# Altium PCB CFD_V1.03.PcbDoc (part 8 of 10) (continued)
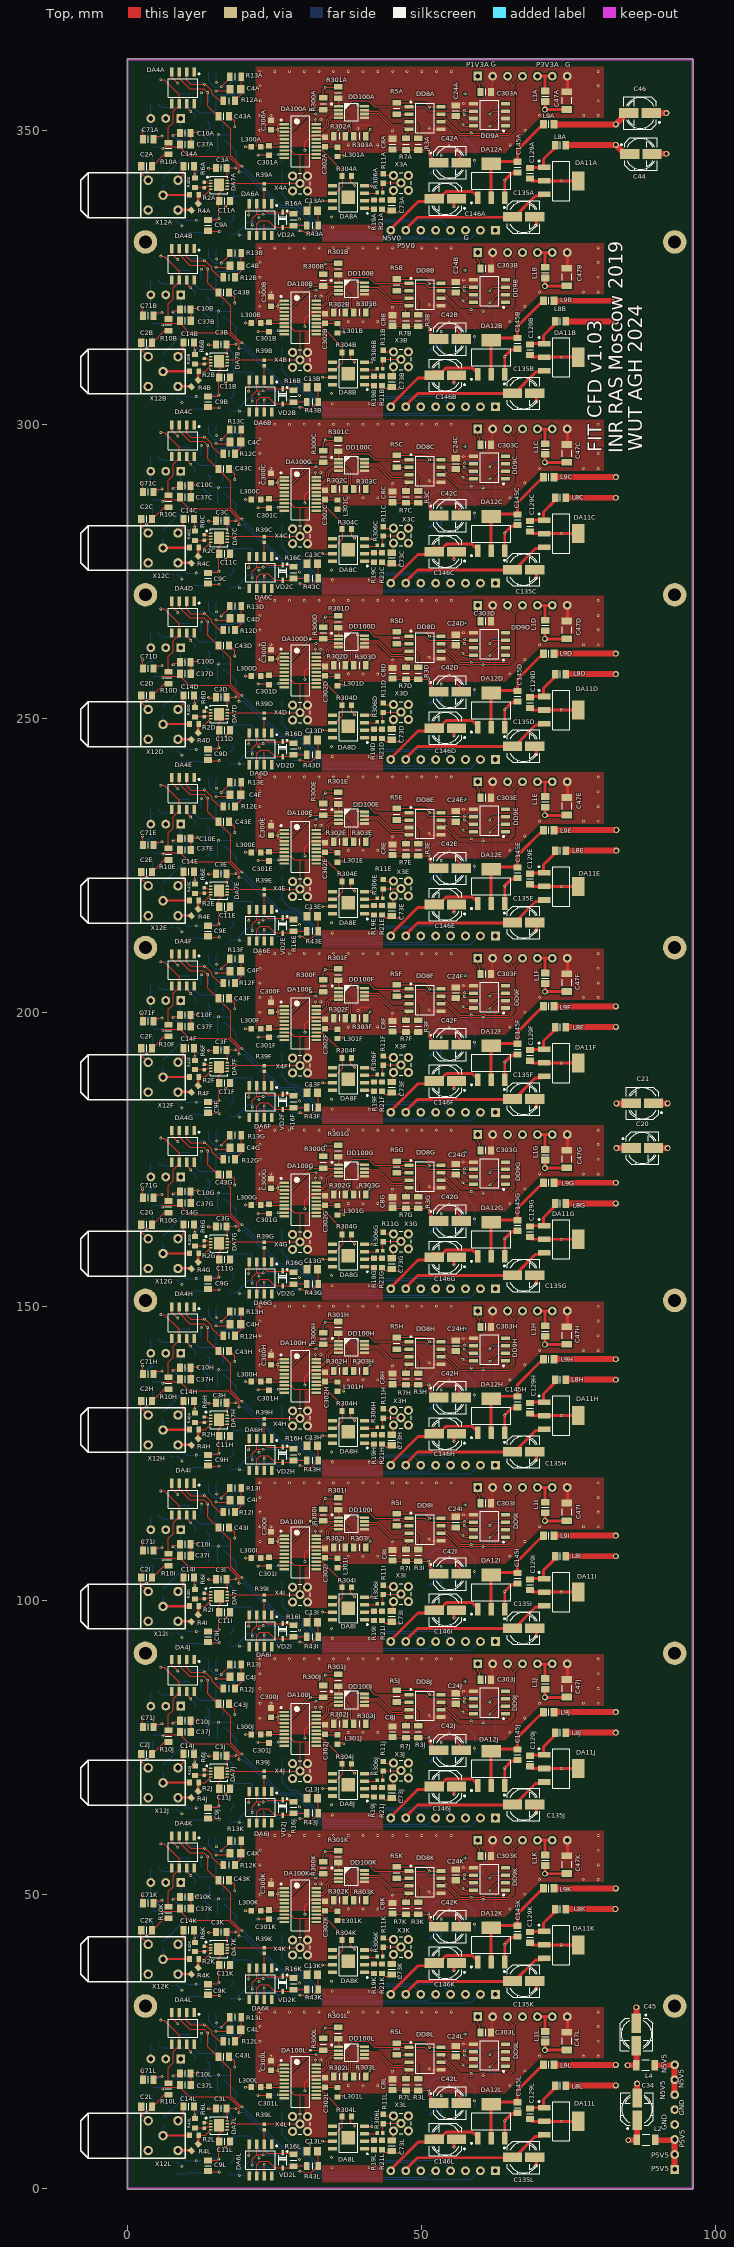
[diagram p0: Top view]
## Nets (pads, with @x,y where several pads share a name; then routed paths per layer and width w, separated by ;. In a path a pad name is that pad's centre, name@x,y a point inside that pad or via, vN(x,y) a via of type N, cw(c..) or ccw(c..) an arc to the next point about the centre after c; other vN are vias at no path point) (continued)
  Top w0.2: C300A.2@24.33,350.1 v1(25.496,350.1) ; DA100A.1@26.63,351.005 DA100A.1@26.83,351.005 ; DA100A.20@31.83,351.005 31.838,351.005 31.93,351.097 v1(31.93,351.8) ; R5A.2@45.7,354.7 50.542,354.7 v1(51.285,353.956) DD8A.8@53.015,353.956 ; C24A.2@55.8,352.3 55.8,352.2 v1(57,351) 57.3,350.7 58.958,350.7 DD9A.8@58.985,350.727
  Top w0.254: v1(25.496,350.1) 25.529,350.134 25.529,350.856 25.678,351.005 DA100A.1@26.63,351.005 ; v1@25.53,350.1 25.53,349.252 25.694,349.088 26.618,349.088 DA100A.4@26.63,349.1 ; v1(39.036,354.239) 39.097,354.239 39.18,354.156 40.16,354.156 DD100A.8@40.258,354.058
  Top w0.5: L1A.1@70.93,354.7 70.96,354.67 70.93,354.64 v2(70.93,353.5) C47A.2@74.73,353.5
  Bot w0.2: C402A.2@30.73,351.8 v1(31.93,351.8) ; C400A.2@38.63,353.3 38.63,354.046 38.769,354.185 38.983,354.185 v1(39.036,354.239) ; C26A.2@49.715,353.286 50.615,353.286 v1(51.285,353.956)
  Bot w0.25: R29A.1@51.3,342.4 52.7,343.8 DA13A.4@53.304,343.8 ; C29A.2@53.304,341.6 DA13A.4@53.304,343.8 ; v1(53.304,345.8) DA13A.4@53.304,343.8 ; C22A.1@58.985,343.95 v1(58.985,344.9)
P3V3B: C22B.1 C24B.2 C26B.2 C29B.2 C47B.2 C300B.2 C400B.2 C402B.2 DA13B.4 DA100B.1 DA100B.4 DA100B.20 DD8B.8 DD9B.8 DD100B.8 L1B.1 R5B.2 R29B.1 | length 35.7
  Top w0.2: C300B.2@24.33,320.1 v1(25.496,320.1) ; DA100B.1@26.63,321.004 DA100B.1@26.83,321.005 ; DA100B.20@31.83,321.005 31.838,321.005 31.93,321.097 v1(31.93,321.8) ; R5B.2@45.7,324.7 50.542,324.7 v1(51.285,323.956) DD8B.8@53.015,323.956 ; C24B.2@55.8,322.3 55.8,322.2 v1(57,321) 57.3,320.7 58.958,320.7 DD9B.8@58.985,320.727
  Top w0.254: DA100B.4@26.63,319.099 26.618,319.088 26.042,319.088 25.824,319.306 25.735,319.306 25.539,319.502 25.539,320.119 25.53,320.128 25.53,320.196 25.596,320.261 25.596,320.659 25.735,320.798 25.824,320.798 25.957,320.931 26.331,320.931 26.405,321.005 DA100B.1@26.63,321.004 ; v1(39.036,324.239) 39.097,324.239 39.18,324.156 40.16,324.156 DD100B.8@40.258,324.058
  Top w0.5: L1B.1@70.93,324.7 70.96,324.67 70.93,324.64 v2(70.93,323.5) C47B.2@74.73,323.5
  Bot w0.2: C402B.2@30.73,321.8 v1(31.93,321.8) ; C400B.2@38.63,323.3 38.63,324.046 38.769,324.185 38.983,324.185 v1(39.036,324.239) ; C26B.2@49.715,323.286 50.615,323.286 v1(51.285,323.956)
  Bot w0.25: R29B.1@51.3,312.4 52.7,313.8 DA13B.4@53.304,313.8 ; C29B.2@53.304,311.6 DA13B.4@53.304,313.8 ; v1(53.304,315.8) DA13B.4@53.304,313.8 ; C22B.1@58.985,313.95 v1(58.985,314.9)
P3V3C: C22C.1 C24C.2 C26C.2 C29C.2 C47C.2 C300C.2 C400C.2 C402C.2 DA13C.4 DA100C.1 DA100C.4 DA100C.20 DD8C.8 DD9C.8 DD100C.8 L1C.1 R5C.2 R29C.1 | length 35.5
  Top w0.2: C300C.2@24.35,290.08 v1(25.466,290.08) ; DA100C.20@31.83,291.005 31.838,291.005 31.93,291.097 v1(31.93,291.8) ; R5C.2@45.7,294.7 50.542,294.7 v1(51.285,293.956) DD8C.8@53.015,293.956 ; C24C.2@55.8,292.3 55.8,292.2 v1(57,291) 57.3,290.7 58.958,290.7 DD9C.8@58.985,290.727
  Top w0.254: DA100C.4@26.63,289.1 26.557,289.173 25.957,289.173 25.824,289.306 25.735,289.306 25.51,289.531 25.51,290.036 v1(25.466,290.08) 25.51,290.123 25.51,290.573 25.735,290.798 25.824,290.798 25.957,290.932 26.557,290.932 DA100C.1@26.63,291.005 ; v1(39.036,294.239) 39.097,294.239 39.18,294.156 40.16,294.156 DD100C.8@40.258,294.058
  Top w0.5: L1C.1@70.93,294.7 70.96,294.67 70.93,294.64 v2(70.93,293.5) C47C.2@74.73,293.5
  Bot w0.2: C402C.2@30.73,291.8 v1(31.93,291.8) ; C400C.2@38.63,293.3 38.63,294.046 38.769,294.185 38.983,294.185 v1(39.036,294.239) ; C26C.2@49.715,293.286 50.615,293.286 v1(51.285,293.956)
  Bot w0.25: R29C.1@51.3,282.4 52.7,283.8 DA13C.4@53.304,283.8 ; C29C.2@53.304,281.6 DA13C.4@53.304,283.8 ; v1(53.304,285.8) DA13C.4@53.304,283.8 ; C22C.1@58.985,283.95 v1(58.985,284.9)
P3V3D: C22D.1 C24D.2 C26D.2 C29D.2 C47D.2 C300D.2 C400D.2 C402D.2 DA13D.4 DA100D.1 DA100D.4 DA100D.20 DD8D.8 DD9D.8 DD100D.8 L1D.1 R5D.2 R29D.1 | length 35.5
  Top w0.2: C300D.2@24.33,260.1 24.336,260.106 v1(25.445,260.106) ; DA100D.20@31.82,260.941 31.827,260.941 31.92,261.033 v1@31.92,261.736 ; R5D.2@45.7,264.7 50.542,264.7 v1(51.285,263.956) DD8D.8@53.015,263.956 ; C24D.2@55.8,262.3 55.8,262.2 v1(57,261) 57.3,260.7 58.958,260.7 DD9D.8@58.985,260.727
  Top w0.254: DA100D.4@26.63,259.099 26.557,259.172 25.957,259.172 25.824,259.306 25.735,259.306 25.488,259.553 25.488,260.063 v1(25.445,260.106) 25.488,260.15 25.488,260.551 25.735,260.798 25.824,260.798 25.957,260.931 26.557,260.931 DA100D.1@26.63,261.004 ; v1(39.026,264.174) 39.087,264.174 39.17,264.091 40.15,264.091 DD100D.8@40.248,263.993
  Top w0.5: L1D.1@70.93,264.7 70.96,264.67 70.93,264.64 v2(70.93,263.5) C47D.2@74.73,263.5
  Bot w0.2: C402D.2@30.72,261.736 v1@31.92,261.736 ; C400D.2@38.62,263.236 38.62,263.982 38.759,264.121 38.973,264.121 v1(39.026,264.174) ; C26D.2@49.715,263.286 50.615,263.286 v1(51.285,263.956)
  Bot w0.25: R29D.1@51.3,252.4 52.7,253.8 DA13D.4@53.304,253.8 ; C29D.2@53.304,251.6 DA13D.4@53.304,253.8 ; v1(53.304,255.8) DA13D.4@53.304,253.8 ; C22D.1@58.985,253.95 v1(58.985,254.9)
  other v1: 31.93,261.8
P3V3E: C22E.1 C24E.2 C26E.2 C29E.2 C47E.2 C300E.2 C400E.2 C402E.2 DA13E.4 DA100E.1 DA100E.4 DA100E.20 DD8E.8 DD9E.8 DD100E.8 L1E.1 R5E.2 R29E.1 | length 35.7
  Top w0.2: C300E.2@24.356,230.074 v1(25.488,230.074) ; DA100E.1@26.63,231.005 DA100E.1@26.83,231.005 ; DA100E.20@31.83,231.005 31.838,231.005 31.93,231.097 v1(31.93,231.8) ; R5E.2@45.7,234.7 50.542,234.7 v1(51.285,233.956) DD8E.8@53.015,233.956 ; C24E.2@55.8,232.3 55.8,232.2 v1(57,231) 57.3,230.7 58.958,230.7 DD9E.8@58.985,230.727
  Top w0.254: DA100E.4@26.63,229.1 26.618,229.088 26.042,229.088 25.824,229.306 25.735,229.306 25.531,229.51 25.531,230.031 v1(25.488,230.074) 25.531,230.117 25.531,230.594 25.735,230.798 25.824,230.798 25.957,230.932 26.332,230.932 26.405,231.005 DA100E.1@26.63,231.005 ; v1(39.036,234.239) 39.097,234.239 39.18,234.156 40.16,234.156 DD100E.8@40.258,234.058
  Top w0.5: L1E.1@70.93,234.7 70.96,234.67 70.93,234.64 v2(70.93,233.5) C47E.2@74.73,233.5
  Bot w0.2: C402E.2@30.73,231.8 v1(31.93,231.8) ; C400E.2@38.63,233.3 38.63,234.046 38.769,234.185 38.983,234.185 v1(39.036,234.239) ; C26E.2@49.715,233.286 50.615,233.286 v1(51.285,233.956)
  Bot w0.25: R29E.1@51.3,222.4 52.7,223.8 DA13E.4@53.304,223.8 ; C29E.2@53.304,221.6 DA13E.4@53.304,223.8 ; v1(53.304,225.8) DA13E.4@53.304,223.8 ; C22E.1@58.985,223.95 v1(58.985,224.9)
P3V3F: C22F.1 C24F.2 C26F.2 C29F.2 C47F.2 C300F.2 C400F.2 C402F.2 DA13F.4 DA100F.1 DA100F.4 DA100F.20 DD8F.8 DD9F.8 DD100F.8 L1F.1 R5F.2 R29F.1 | length 36
  Top w0.2: C300F.2@24.33,200.1 v1(25.496,200.1) ; DA100F.1@26.63,201.005 DA100F.1@26.83,201.005 ; DA100F.20@31.83,201.005 31.838,201.005 31.93,201.097 v1(31.93,201.8) ; R5F.2@45.7,204.7 50.542,204.7 v1(51.285,203.956) DD8F.8@53.015,203.956 ; C24F.2@55.8,202.3 55.8,202.2 v1(57,201) 57.3,200.7 58.958,200.7 DD9F.8@58.985,200.727
  Top w0.254: v1(25.496,200.1) 25.529,200.134 25.529,200.856 25.678,201.005 DA100F.1@26.63,201.005 ; v1@25.53,200.1 25.53,199.252 25.694,199.088 26.618,199.088 DA100F.4@26.63,199.1 ; v1(39.036,204.239) 39.097,204.239 39.18,204.156 40.16,204.156 DD100F.8@40.258,204.058
  Top w0.5: L1F.1@70.93,204.7 70.96,204.67 70.93,204.64 v2(70.93,203.5) C47F.2@74.73,203.5
  Bot w0.2: C402F.2@30.73,201.8 v1(31.93,201.8) ; C400F.2@38.63,203.3 38.63,204.046 38.769,204.185 38.983,204.185 v1(39.036,204.239) ; C26F.2@49.715,203.286 50.615,203.286 v1(51.285,203.956)
  Bot w0.25: R29F.1@51.3,192.4 52.7,193.8 DA13F.4@53.304,193.8 ; C29F.2@53.304,191.6 DA13F.4@53.304,193.8 ; v1(53.304,195.8) DA13F.4@53.304,193.8 ; C22F.1@58.985,193.95 v1(58.985,194.9)
P3V3G: C22G.1 C24G.2 C26G.2 C29G.2 C47G.2 C300G.2 C400G.2 C402G.2 DA13G.4 DA100G.1 DA100G.4 DA100G.20 DD8G.8 DD9G.8 DD100G.8 L1G.1 R5G.2 R29G.1 | length 35.5
  Top w0.2: C300G.2@24.33,170.1 24.338,170.108 v1(25.494,170.108) ; DA100G.20@31.83,171.005 31.838,171.005 31.93,171.097 v1(31.93,171.8) ; R5G.2@45.7,174.7 50.542,174.7 v1(51.285,173.956) DD8G.8@53.015,173.956 ; C24G.2@55.8,172.3 55.8,172.2 v1(57,171) 57.3,170.7 58.958,170.7 DD9G.8@58.985,170.727
  Top w0.254: DA100G.4@26.63,169.099 26.557,169.172 25.957,169.172 25.824,169.306 25.735,169.306 25.537,169.504 25.537,170.069 25.496,170.11 25.537,170.151 25.537,170.6 25.735,170.798 25.824,170.798 26.03,171.005 DA100G.1@26.63,171.004 ; v1(39.036,174.239) 39.097,174.239 39.18,174.156 40.16,174.156 DD100G.8@40.258,174.058
  Top w0.5: L1G.1@70.93,174.7 70.96,174.67 70.93,174.64 v2(70.93,173.5) C47G.2@74.73,173.5
  Bot w0.2: C402G.2@30.73,171.8 v1(31.93,171.8) ; C400G.2@38.63,173.3 38.63,174.046 38.769,174.185 38.983,174.185 v1(39.036,174.239) ; C26G.2@49.715,173.286 50.615,173.286 v1(51.285,173.956)
  Bot w0.25: R29G.1@51.3,162.4 52.7,163.8 DA13G.4@53.304,163.8 ; C29G.2@53.304,161.6 DA13G.4@53.304,163.8 ; v1(53.304,165.8) DA13G.4@53.304,163.8 ; C22G.1@58.985,163.95 v1(58.985,164.9)
P3V3H: C22H.1 C24H.2 C26H.2 C29H.2 C47H.2 C300H.2 C400H.2 C402H.2 DA13H.4 DA100H.1 DA100H.4 DA100H.20 DD8H.8 DD9H.8 DD100H.8 L1H.1 R5H.2 R29H.1 | length 36
  Top w0.2: C300H.2@24.33,140.1 v1(25.496,140.1) ; DA100H.1@26.63,141.005 DA100H.1@26.83,141.005 ; DA100H.20@31.83,141.005 31.838,141.005 31.93,141.097 v1(31.93,141.8) ; R5H.2@45.7,144.7 50.542,144.7 v1(51.285,143.956) DD8H.8@53.015,143.956 ; C24H.2@55.8,142.3 55.8,142.2 v1(57,141) 57.3,140.7 58.958,140.7 DD9H.8@58.985,140.727
  Top w0.254: v1(25.496,140.1) 25.529,140.134 25.529,140.856 25.678,141.005 DA100H.1@26.63,141.005 ; v1@25.53,140.1 25.53,139.252 25.694,139.088 26.618,139.088 DA100H.4@26.63,139.1 ; v1(39.036,144.239) 39.097,144.239 39.18,144.156 40.16,144.156 DD100H.8@40.258,144.058
  Top w0.5: L1H.1@70.93,144.7 70.96,144.67 70.93,144.64 v2(70.93,143.5) C47H.2@74.73,143.5
  Bot w0.2: C402H.2@30.73,141.8 v1(31.93,141.8) ; C400H.2@38.63,143.3 38.63,144.046 38.769,144.185 38.983,144.185 v1(39.036,144.239) ; C26H.2@49.715,143.286 50.615,143.286 v1(51.285,143.956)
  Bot w0.25: R29H.1@51.3,132.4 52.7,133.8 DA13H.4@53.304,133.8 ; C29H.2@53.304,131.6 DA13H.4@53.304,133.8 ; v1(53.304,135.8) DA13H.4@53.304,133.8 ; C22H.1@58.985,133.95 v1(58.985,134.9)
P3V3I: C22I.1 C24I.2 C26I.2 C29I.2 C47I.2 C300I.2 C400I.2 C402I.2 DA13I.4 DA100I.1 DA100I.4 DA100I.20 DD8I.8 DD9I.8 DD100I.8 L1I.1 R5I.2 R29I.1 | length 35.5
  Top w0.2: C300I.2@24.338,110.092 v1(25.493,110.092) ; DA100I.20@31.83,111.005 31.838,111.005 31.93,111.097 v1(31.93,111.8) ; R5I.2@45.7,114.7 50.542,114.7 v1(51.285,113.956) DD8I.8@53.015,113.956 ; C24I.2@55.8,112.3 55.8,112.2 v1(57,111) 57.3,110.7 58.958,110.7 DD9I.8@58.985,110.727
  Top w0.254: DA100I.4@26.63,109.099 26.557,109.172 25.957,109.172 25.824,109.306 25.735,109.306 25.536,109.505 25.536,110.049 v1(25.493,110.092) 25.536,110.135 25.536,110.599 25.735,110.798 25.824,110.798 25.957,110.932 26.557,110.932 DA100I.1@26.63,111.004 ; v1(39.036,114.239) 39.097,114.239 39.18,114.156 40.16,114.156 DD100I.8@40.258,114.058
  Top w0.5: L1I.1@70.93,114.7 70.96,114.67 70.93,114.64 v2(70.93,113.5) C47I.2@74.73,113.5
  Bot w0.2: C402I.2@30.73,111.8 v1(31.93,111.8) ; C400I.2@38.63,113.3 38.63,114.046 38.769,114.185 38.983,114.185 v1(39.036,114.239) ; C26I.2@49.715,113.286 50.615,113.286 v1(51.285,113.956)
  Bot w0.25: R29I.1@51.3,102.4 52.7,103.8 DA13I.4@53.304,103.8 ; C29I.2@53.304,101.6 DA13I.4@53.304,103.8 ; v1(53.304,105.8) DA13I.4@53.304,103.8 ; C22I.1@58.985,103.95 v1(58.985,104.9)
P3V3J: C22J.1 C24J.2 C26J.2 C29J.2 C47J.2 C300J.2 C400J.2 C402J.2 DA13J.4 DA100J.1 DA100J.4 DA100J.20 DD8J.8 DD9J.8 DD100J.8 L1J.1 R5J.2 R29J.1 | length 36
  Top w0.2: C300J.2@24.33,80.1 v1(25.496,80.1) ; DA100J.1@26.63,81.004 DA100J.1@26.83,81.005 ; DA100J.20@31.83,81.005 31.838,81.005 31.93,81.097 v1(31.93,81.8) ; R5J.2@45.7,84.7 50.542,84.7 v1(51.285,83.956) DD8J.8@53.015,83.956 ; C24J.2@55.8,82.3 55.8,82.2 v1(57,81) 57.3,80.7 58.958,80.7 DD9J.8@58.985,80.727
  Top w0.254: v1(25.496,80.1) 25.529,80.134 25.529,80.856 25.678,81.005 DA100J.1@26.63,81.004 ; v1@25.53,80.1 25.53,79.252 25.694,79.088 26.618,79.088 DA100J.4@26.63,79.099 ; v1(39.036,84.239) 39.097,84.239 39.18,84.156 40.16,84.156 DD100J.8@40.258,84.058
  Top w0.5: L1J.1@70.93,84.7 70.96,84.67 70.93,84.64 v2(70.93,83.5) C47J.2@74.73,83.5
  Bot w0.2: C402J.2@30.73,81.8 v1(31.93,81.8) ; C400J.2@38.63,83.3 38.63,84.046 38.769,84.185 38.983,84.185 v1(39.036,84.239) ; C26J.2@49.715,83.286 50.615,83.286 v1(51.285,83.956)
  Bot w0.25: R29J.1@51.3,72.4 52.7,73.8 DA13J.4@53.304,73.8 ; C29J.2@53.304,71.6 DA13J.4@53.304,73.8 ; v1(53.304,75.8) DA13J.4@53.304,73.8 ; C22J.1@58.985,73.95 v1(58.985,74.9)
P3V3K: C22K.1 C24K.2 C26K.2 C29K.2 C47K.2 C300K.2 C400K.2 C402K.2 DA13K.4 DA100K.1 DA100K.4 DA100K.20 DD8K.8 DD9K.8 DD100K.8 L1K.1 R5K.2 R29K.1 | length 36
  Top w0.2: C300K.2@24.33,50.1 v1(25.496,50.1) ; DA100K.1@26.63,51.005 DA100K.1@26.83,51.005 ; DA100K.20@31.83,51.005 31.838,51.005 31.93,51.097 v1(31.93,51.8) ; R5K.2@45.7,54.7 50.542,54.7 v1(51.285,53.956) DD8K.8@53.015,53.956 ; C24K.2@55.8,52.3 55.8,52.2 v1(57,51) 57.3,50.7 58.958,50.7 DD9K.8@58.985,50.727
  Top w0.254: v1(25.496,50.1) 25.529,50.134 25.529,50.856 25.678,51.005 DA100K.1@26.63,51.005 ; v1@25.53,50.1 25.53,49.252 25.694,49.088 26.618,49.088 DA100K.4@26.63,49.1 ; v1(39.036,54.239) 39.097,54.239 39.18,54.156 40.16,54.156 DD100K.8@40.258,54.058
  Top w0.5: L1K.1@70.93,54.7 70.96,54.67 70.93,54.64 v2(70.93,53.5) C47K.2@74.73,53.5
  Bot w0.2: C402K.2@30.73,51.8 v1(31.93,51.8) ; C400K.2@38.63,53.3 38.63,54.046 38.769,54.185 38.983,54.185 v1(39.036,54.239) ; C26K.2@49.715,53.286 50.615,53.286 v1(51.285,53.956)
  Bot w0.25: R29K.1@51.3,42.4 52.7,43.8 DA13K.4@53.304,43.8 ; C29K.2@53.304,41.6 DA13K.4@53.304,43.8 ; v1(53.304,45.8) DA13K.4@53.304,43.8 ; C22K.1@58.985,43.95 v1(58.985,44.9)
P3V3L: C22L.1 C24L.2 C26L.2 C29L.2 C47L.2 C300L.2 C400L.2 C402L.2 DA13L.4 DA100L.1 DA100L.4 DA100L.20 DD8L.8 DD9L.8 DD100L.8 L1L.1 R5L.2 R29L.1 | length 36.3
  Top w0.2: C300L.2@24.339,20.091 24.378,20.052 v1(25.509,20.052) ; DA100L.1@26.405,21.005 26.83,21.005 DA100L.1@26.63,21.004 ; DA100L.20@31.83,21.005 31.838,21.005 31.93,21.097 v1(31.93,21.8) ; R5L.2@45.7,24.7 50.542,24.7 v1(51.285,23.956) DD8L.8@53.015,23.956 ; C24L.2@55.8,22.3 55.8,22.2 v1(57,21) 57.3,20.7 58.958,20.7 DD9L.8@58.985,20.727
  Top w0.254: DA100L.4@26.63,19.099 26.618,19.088 26.042,19.088 25.824,19.306 25.735,19.306 25.552,19.489 25.552,20.009 v1(25.509,20.052) 25.529,20.072 25.529,20.856 25.678,21.005 DA100L.1@26.63,21.004 ; v1(39.036,24.239) 39.097,24.239 39.18,24.156 40.16,24.156 DD100L.8@40.258,24.058
  Top w0.5: L1L.1@70.93,24.7 70.96,24.67 70.93,24.64 v2(70.93,23.5) C47L.2@74.73,23.5
  Bot w0.2: C402L.2@30.73,21.8 v1(31.93,21.8) ; C400L.2@38.63,23.3 38.63,24.046 38.769,24.185 38.983,24.185 v1(39.036,24.239) ; C26L.2@49.715,23.286 50.615,23.286 v1(51.285,23.956)
  Bot w0.25: R29L.1@51.3,12.4 52.7,13.8 DA13L.4@53.304,13.8 ; C29L.2@53.304,11.6 DA13L.4@53.304,13.8 ; v1(53.304,15.8) DA13L.4@53.304,13.8 ; C22L.1@58.985,13.95 v1(58.985,14.9)
P3V3rA: L1A.2 X13A.5 X13A.6 | length 4.4
  Top w0.5: X13A.5@69.66,359.2 70.93,359.2 ; 70.93,357.3 70.93,359.2 ; X13A.6@72.2,359.2 70.93,359.2
P3V3rB: L1B.2 X13B.5 X13B.6 | length 4.4
  Top w0.5: X13B.5@69.66,329.2 70.93,329.2 ; 70.93,327.3 70.93,329.2 ; X13B.6@72.2,329.2 70.93,329.2
P3V3rC: L1C.2 X13C.5 X13C.6 | length 4.4
  Top w0.5: X13C.5@69.66,299.2 70.93,299.2 ; 70.93,297.3 70.93,299.2 ; X13C.6@72.2,299.2 70.93,299.2
P3V3rD: L1D.2 X13D.5 X13D.6 | length 4.4
  Top w0.5: X13D.5@69.66,269.2 70.93,269.2 ; 70.93,267.3 70.93,269.2 ; X13D.6@72.2,269.2 70.93,269.2
P3V3rE: L1E.2 X13E.5 X13E.6 | length 4.4
  Top w0.5: X13E.5@69.66,239.2 70.93,239.2 ; 70.93,237.3 70.93,239.2 ; X13E.6@72.2,239.2 70.93,239.2
P3V3rF: L1F.2 X13F.5 X13F.6 | length 4.4
  Top w0.5: X13F.5@69.66,209.2 70.93,209.2 ; 70.93,207.3 70.93,209.2 ; X13F.6@72.2,209.2 70.93,209.2
P3V3rG: L1G.2 X13G.5 X13G.6 | length 4.4
  Top w0.5: X13G.5@69.66,179.2 70.93,179.2 ; 70.93,177.3 70.93,179.2 ; X13G.6@72.2,179.2 70.93,179.2
P3V3rH: L1H.2 X13H.5 X13H.6 | length 4.4
  Top w0.5: X13H.5@69.66,149.2 70.93,149.2 ; 70.93,147.3 70.93,149.2 ; X13H.6@72.2,149.2 70.93,149.2
P3V3rI: L1I.2 X13I.5 X13I.6 | length 4.4
  Top w0.5: X13I.5@69.66,119.2 70.93,119.2 ; 70.93,117.3 70.93,119.2 ; X13I.6@72.2,119.2 70.93,119.2
P3V3rJ: L1J.2 X13J.5 X13J.6 | length 4.4
  Top w0.5: X13J.5@69.66,89.2 70.93,89.2 ; 70.93,87.3 70.93,89.2 ; X13J.6@72.2,89.2 70.93,89.2
P3V3rK: L1K.2 X13K.5 X13K.6 | length 4.4
  Top w0.5: X13K.5@69.66,59.2 70.93,59.2 ; 70.93,57.3 70.93,59.2 ; X13K.6@72.2,59.2 70.93,59.2
P3V3rL: L1L.2 X13L.5 X13L.6 | length 4.4
  Top w0.5: X13L.5@69.66,29.2 70.93,29.2 ; 70.93,27.3 70.93,29.2 ; X13L.6@72.2,29.2 70.93,29.2
P5V0A: C30A.2 C71A.2 C135A.1 DA2A.3 DA4A.7 DA5A.7 DA6A.7 DA8A.7 DA11A.3 DA20A.7 L301A.2 pad.1@15.07,359.7 R25A.1 X5A.7 | length 43.1
  Top w0.2: C71A.2@4.5,348.44 4.5,348.577 4.87,348.946 5.746,348.946 v1(5.8,349) ; DA4A.7@10,354.7 10,353.925 10.7,353.225 v1(10.7,353.2) ; DA6A.7@23.2,332.3 v4(23.2,334.1) ; v1(33.1,338) DA8A.7@35,338 ; L301A.2@35.63,345.8 36.53,345.8 v1(36.73,345.6)
  Top w0.5: X5A.7@47.26,333.2 49.26,335.2 65.7,335.2 69.35,338.85 70.45,338.85 DA11A.3@70.7,339.1
  Bot w0.2: DA2A.3@4.2,348.44 4.95,348.44 5.456,348.946 5.746,348.946 v1(5.8,349) ; v1(10.7,353.2) 11.43,352.47 R25A.1@11.43,351.7 ; v1(15.07,358.1) pad.1@15.07,359.7 ; v1(22.33,335.17) 22.38,335.22 22.38,337.25 DA20A.7@22.43,337.3 ; v1(33.1,338) C30A.2@34.6,338
P5V0B: C30B.2 C71B.2 C135B.1 DA2B.3 DA4B.7 DA5B.7 DA6B.7 DA8B.7 DA11B.3 DA20B.7 L301B.2 R25B.1 X5B.7 | length 43.1
  Top w0.2: C71B.2@4.5,318.44 4.5,318.577 4.87,318.946 5.746,318.946 v1(5.8,319) ; DA4B.7@10,324.7 10,323.925 10.7,323.225 v1(10.7,323.2) ; DA6B.7@23.2,302.3 v1(23.2,304.1) ; v1(33.1,308) DA8B.7@35,308 ; L301B.2@35.63,315.8 36.53,315.8 v1(36.73,315.6)
  Top w0.5: X5B.7@47.26,303.2 49.26,305.2 65.7,305.2 69.35,308.85 70.45,308.85 DA11B.3@70.7,309.1
  Bot w0.2: DA2B.3@4.2,318.44 4.95,318.44 5.456,318.946 5.746,318.946 v1(5.8,319) ; v1(10.7,323.2) 11.43,322.47 R25B.1@11.43,321.7 ; v1(15.07,328.1) DA5B.7@15.07,329.7 ; v1(22.33,305.17) 22.38,305.22 22.38,307.25 DA20B.7@22.43,307.3 ; v1(33.1,308) C30B.2@34.6,308
P5V0C: C30C.2 C71C.2 C135C.1 DA2C.3 DA4C.7 DA5C.7 DA6C.7 DA8C.7 DA11C.3 DA20C.7 L301C.2 R25C.1 X5C.7 | length 43.1
  Top w0.2: C71C.2@4.5,288.44 4.5,288.577 4.869,288.946 5.746,288.946 v1(5.8,289) ; DA4C.7@10,294.7 10,293.925 10.7,293.225 v1(10.7,293.2) ; DA6C.7@23.2,272.3 v1(23.2,274.1) ; v1(33.1,278) DA8C.7@35,278 ; L301C.2@35.63,285.8 36.53,285.8 v1(36.73,285.6)
  Top w0.5: X5C.7@47.26,273.2 49.26,275.2 65.7,275.2 69.35,278.85 70.45,278.85 DA11C.3@70.7,279.1
  Bot w0.2: DA2C.3@4.2,288.44 4.95,288.44 5.456,288.946 5.746,288.946 v1(5.8,289) ; v1(10.7,293.2) 11.43,292.47 R25C.1@11.43,291.7 ; v1(15.07,298.1) DA5C.7@15.07,299.7 ; v1(22.33,275.17) 22.38,275.22 22.38,277.25 DA20C.7@22.43,277.3 ; v1(33.1,278) C30C.2@34.6,278
P5V0D: C30D.2 C71D.2 C135D.1 DA2D.3 DA4D.7 DA5D.7 DA6D.7 DA8D.7 DA11D.3 DA20D.7 L301D.2 R25D.1 X5D.7 | length 43.1
  Top w0.2: C71D.2@4.5,258.44 4.5,258.577 4.869,258.946 5.746,258.946 v1(5.8,259) ; DA4D.7@10,264.7 10,263.925 10.7,263.225 v1(10.7,263.2) ; DA6D.7@23.2,242.3 v4(23.2,244.1) ; v1(33.1,248) DA8D.7@35,248 ; L301D.2@35.63,255.8 36.53,255.8 v1(36.73,255.6)
  Top w0.5: X5D.7@47.26,243.2 49.26,245.2 65.7,245.2 69.35,248.85 70.45,248.85 DA11D.3@70.7,249.1
  Bot w0.2: DA2D.3@4.2,258.44 4.95,258.44 5.456,258.946 5.746,258.946 v1(5.8,259) ; v1(10.7,263.2) 11.43,262.47 R25D.1@11.43,261.7 ; v1(15.07,268.1) DA5D.7@15.07,269.7 ; v1(22.33,245.17) 22.38,245.22 22.38,247.25 DA20D.7@22.43,247.3 ; v1(33.1,248) C30D.2@34.6,248
P5V0E: C30E.2 C71E.2 C135E.1 DA2E.3 DA4E.7 DA5E.7 DA6E.7 DA8E.7 DA11E.3 DA20E.7 L301E.2 R25E.1 X5E.7 | length 43.1
  Top w0.2: C71E.2@4.5,228.44 4.5,228.577 4.869,228.946 5.746,228.946 v1(5.8,229) ; DA4E.7@10,234.7 10,233.925 10.7,233.225 v1(10.7,233.2) ; DA6E.7@23.2,212.3 v1(23.2,214.1) ; v1(33.1,218) DA8E.7@35,218 ; L301E.2@35.63,225.8 36.53,225.8 v1(36.73,225.6)
  Top w0.5: X5E.7@47.26,213.2 49.26,215.2 65.7,215.2 69.35,218.85 70.45,218.85 DA11E.3@70.7,219.1
  Bot w0.2: DA2E.3@4.2,228.44 4.95,228.44 5.456,228.946 5.746,228.946 v1(5.8,229) ; v1(10.7,233.2) 11.43,232.47 R25E.1@11.43,231.7 ; v1(15.07,238.1) DA5E.7@15.07,239.7 ; v1(22.33,215.17) 22.38,215.22 22.38,217.25 DA20E.7@22.43,217.3 ; v1(33.1,218) C30E.2@34.6,218
P5V0F: C30F.2 C71F.2 C135F.1 DA2F.3 DA4F.7 DA5F.7 DA6F.7 DA8F.7 DA11F.3 DA20F.7 L301F.2 R25F.1 X5F.7 | length 43.1
  Top w0.2: C71F.2@4.5,198.44 4.5,198.577 4.869,198.946 5.746,198.946 v1(5.8,199) ; DA4F.7@10,204.7 10,203.925 10.7,203.225 v1(10.7,203.2) ; DA6F.7@23.2,182.3 v1(23.2,184.1) ; v1(33.1,188) DA8F.7@35,188 ; L301F.2@35.63,195.8 36.53,195.8 v1(36.73,195.6)
  Top w0.5: X5F.7@47.26,183.2 49.26,185.2 65.7,185.2 69.35,188.85 70.45,188.85 DA11F.3@70.7,189.1
  Bot w0.2: DA2F.3@4.2,198.44 4.95,198.44 5.456,198.946 5.746,198.946 v1(5.8,199) ; v1(10.7,203.2) 11.43,202.47 R25F.1@11.43,201.7 ; v1(15.07,208.1) DA5F.7@15.07,209.7 ; v1(22.33,185.17) 22.38,185.22 22.38,187.25 DA20F.7@22.43,187.3 ; v1(33.1,188) C30F.2@34.6,188
P5V0G: C30G.2 C71G.2 C135G.1 DA2G.3 DA4G.7 DA5G.7 DA6G.7 DA8G.7 DA11G.3 DA20G.7 L301G.2 R25G.1 X5G.7 | length 43.1
  Top w0.2: C71G.2@4.5,168.44 4.5,168.577 4.869,168.946 5.746,168.946 v1(5.8,169) ; DA4G.7@10,174.7 10,173.925 10.7,173.225 v1(10.7,173.2) ; DA6G.7@23.2,152.3 v1(23.2,154.1) ; v1(33.1,158) DA8G.7@35,158 ; L301G.2@35.63,165.8 36.53,165.8 v1(36.73,165.6)
  Top w0.5: X5G.7@47.26,153.2 49.26,155.2 65.7,155.2 69.35,158.85 70.45,158.85 DA11G.3@70.7,159.1
  Bot w0.2: DA2G.3@4.2,168.44 4.95,168.44 5.456,168.946 5.746,168.946 v1(5.8,169) ; v1(10.7,173.2) 11.43,172.47 R25G.1@11.43,171.7 ; v1(15.07,178.1) DA5G.7@15.07,179.7 ; v1(22.33,155.17) 22.38,155.22 22.38,157.25 DA20G.7@22.43,157.3 ; v1(33.1,158) C30G.2@34.6,158
P5V0H: C30H.2 C71H.2 C135H.1 DA2H.3 DA4H.7 DA5H.7 DA6H.7 DA8H.7 DA11H.3 DA20H.7 L301H.2 R25H.1 X5H.7 | length 43.1
  Top w0.2: C71H.2@4.5,138.44 4.5,138.577 4.869,138.946 5.746,138.946 v1(5.8,139) ; DA4H.7@10,144.7 10,143.925 10.7,143.225 v1(10.7,143.2) ; DA6H.7@23.2,122.3 v1(23.2,124.1) ; v1(33.1,128) DA8H.7@35,128 ; L301H.2@35.63,135.8 36.53,135.8 v1(36.73,135.6)
  Top w0.5: X5H.7@47.26,123.2 49.26,125.2 65.7,125.2 69.35,128.85 70.45,128.85 DA11H.3@70.7,129.1
  Bot w0.2: DA2H.3@4.2,138.44 4.95,138.44 5.456,138.946 5.746,138.946 v1(5.8,139) ; v1(10.7,143.2) 11.43,142.47 R25H.1@11.43,141.7 ; v1(15.07,148.1) DA5H.7@15.07,149.7 ; v1(22.33,125.17) 22.38,125.22 22.38,127.25 DA20H.7@22.43,127.3 ; v1(33.1,128) C30H.2@34.6,128
P5V0I: C30I.2 C71I.2 C135I.1 DA2I.3 DA4I.7 DA5I.7 DA6I.7 DA8I.7 DA11I.3 DA20I.7 L301I.2 R25I.1 X5I.7 | length 43.1
  Top w0.2: C71I.2@4.5,108.44 4.5,108.577 4.869,108.946 5.746,108.946 v1(5.8,109) ; DA4I.7@10,114.7 10,113.925 10.7,113.225 v1(10.7,113.2) ; DA6I.7@23.2,92.3 v1(23.2,94.1) ; v1(33.1,98) DA8I.7@35,98 ; L301I.2@35.63,105.8 36.53,105.8 v1(36.73,105.6)
  Top w0.5: X5I.7@47.26,93.2 49.26,95.2 65.7,95.2 69.35,98.85 70.45,98.85 DA11I.3@70.7,99.1
  Bot w0.2: DA2I.3@4.2,108.44 4.95,108.44 5.456,108.946 5.746,108.946 v1(5.8,109) ; v1(10.7,113.2) 11.43,112.47 R25I.1@11.43,111.7 ; v1(15.07,118.1) DA5I.7@15.07,119.7 ; v1(22.33,95.17) 22.38,95.22 22.38,97.25 DA20I.7@22.43,97.3 ; v1(33.1,98) C30I.2@34.6,98
P5V0J: C30J.2 C71J.2 C135J.1 DA2J.3 DA4J.7 DA5J.7 DA6J.7 DA8J.7 DA11J.3 DA20J.7 L301J.2 R25J.1 X5J.7 | length 43.1
  Top w0.2: C71J.2@4.5,78.44 4.5,78.577 4.869,78.946 5.746,78.946 v1(5.8,79) ; DA4J.7@10,84.7 10,83.925 10.7,83.225 v1(10.7,83.2) ; DA6J.7@23.2,62.3 v4(23.2,64.1) ; v1(33.1,68) DA8J.7@35,68 ; L301J.2@35.63,75.8 36.53,75.8 v1(36.73,75.6)
  Top w0.5: X5J.7@47.26,63.2 49.26,65.2 65.7,65.2 69.35,68.85 70.45,68.85 DA11J.3@70.7,69.1
  Bot w0.2: DA2J.3@4.2,78.44 4.95,78.44 5.456,78.946 5.746,78.946 v1(5.8,79) ; v1(10.7,83.2) 11.43,82.47 R25J.1@11.43,81.7 ; v1(15.07,88.1) DA5J.7@15.07,89.7 ; v1(22.33,65.17) 22.38,65.22 22.38,67.25 DA20J.7@22.43,67.3 ; v1(33.1,68) C30J.2@34.6,68
P5V0K: C30K.2 C71K.2 C135K.1 DA2K.3 DA4K.7 DA5K.7 DA6K.7 DA8K.7 DA11K.3 DA20K.7 L301K.2 R25K.1 X5K.7 | length 43.1
  Top w0.2: C71K.2@4.5,48.44 4.5,48.577 4.869,48.946 5.746,48.946 v1(5.8,49) ; DA4K.7@10,54.7 10,53.925 10.7,53.225 v1(10.7,53.2) ; DA6K.7@23.2,32.3 v1(23.2,34.1) ; v1(33.1,38) DA8K.7@35,38 ; L301K.2@35.63,45.8 36.53,45.8 v1(36.73,45.6)
  Top w0.5: X5K.7@47.26,33.2 49.26,35.2 65.7,35.2 69.35,38.85 70.45,38.85 DA11K.3@70.7,39.1
  Bot w0.2: DA2K.3@4.2,48.44 4.95,48.44 5.456,48.946 5.746,48.946 v1(5.8,49) ; v1(10.7,53.2) 11.43,52.47 R25K.1@11.43,51.7 ; v1(15.07,58.1) DA5K.7@15.07,59.7 ; v1(22.33,35.17) 22.38,35.22 22.38,37.25 DA20K.7@22.43,37.3 ; v1(33.1,38) C30K.2@34.6,38
P5V0L: C30L.2 C71L.2 C135L.1 DA2L.3 DA4L.7 DA5L.7 DA6L.7 DA8L.7 DA11L.3 DA20L.7 L301L.2 R25L.1 X5L.7 | length 43.1
  Top w0.2: C71L.2@4.5,18.44 4.5,18.577 4.869,18.946 5.746,18.946 v1(5.8,19) ; DA4L.7@10,24.7 10,23.925 10.7,23.225 v1(10.7,23.2) ; DA6L.7@23.2,2.3 v1(23.2,4.1) ; v1(33.1,8) DA8L.7@35,8 ; L301L.2@35.63,15.8 36.53,15.8 v1(36.73,15.6)
  Top w0.5: X5L.7@47.26,3.2 49.26,5.2 65.7,5.2 69.35,8.85 70.45,8.85 DA11L.3@70.7,9.1
  Bot w0.2: DA2L.3@4.2,18.44 4.95,18.44 5.456,18.946 5.746,18.946 v1(5.8,19) ; v1(10.7,23.2) 11.43,22.47 R25L.1@11.43,21.7 ; v1(15.07,28.1) DA5L.7@15.07,29.7 ; v1(22.33,5.17) 22.38,5.22 22.38,7.25 DA20L.7@22.43,7.3 ; v1(33.1,8) C30L.2@34.6,8
P5V5: C20.1 C34.1 C44.1 L2.2 L8A.1 L8B.1 L8C.1 L8D.1 L8E.1 L8F.1 L8G.1 L8H.1 L8I.1 L8J.1 L8K.1 L8L.1 | length 202.5
  Top w1: L8H.1@74.6,137.5 v2(83,137.5) 82.9,137.6 L8H.1@74.6,137.6 ; L8A.1@74.6,347.5 v2(83,347.5) 84.5,346 C44.1@85,346 ; v2(82.902,47.5) 74.6,47.5 v2@83,47.5 ; v2@83,227.5 74.6,227.5 v2(83.1,227.5) ; v2(83.1,176.9) C20.1@85.3,176.9 ; v2@85.14,8.18 86.6,8.18 C34.1@86.6,11.2 ; L8L.1@74.6,17.5 v2(83,17.5) L8L.1@74.6,17.5 ; L8J.1@74.6,77.5 v2(83,77.5) L8J.1@74.6,77.5 ; L8I.1@74.6,107.5 v2(83,107.5) L8I.1@74.6,107.5 ; L8G.1@74.6,167.5 v2(83,167.5) L8G.1@74.6,167.5 ; L8F.1@74.6,197.5 v2(83,197.5) L8F.1@74.6,197.5 ; L8D.1@74.6,257.5 v2(83,257.5) L8D.1@74.6,257.5 ; L8C.1@74.6,287.5 v2(83,287.5) L8C.1@74.6,287.5 ; L8B.1@74.6,317.5 v2(83,317.5) L8B.1@74.6,317.5
  other v2: 85.1,8.18
P5V5_PM12: L2.1 X2.1 X2.2 X2.3 | length 8.3
  Top w1: L2.1@89.7,8.18 93,8.18 93,5.76 93,3.22 X2.1@93,3.2
SIG_IN_BUFA: DA7A.7 DA100A.8 DA100A.12 R39A.1 X4A.1 | length 22.6
  Top w0.12: DA100A.8@26.83,346.56 27.67,346.56 28.305,345.925 29.33,345.925 DA100A.12@31.805,345.925 ; X4A.1@29.3,340.95 29.33,340.98 29.33,345.9
  Top w0.15: DA7A.7@16.9,340.95 23.2,340.95 X4A.1@29.3,340.95